# KiCad board Ashwing66_cut.kicad_pcb (continued)
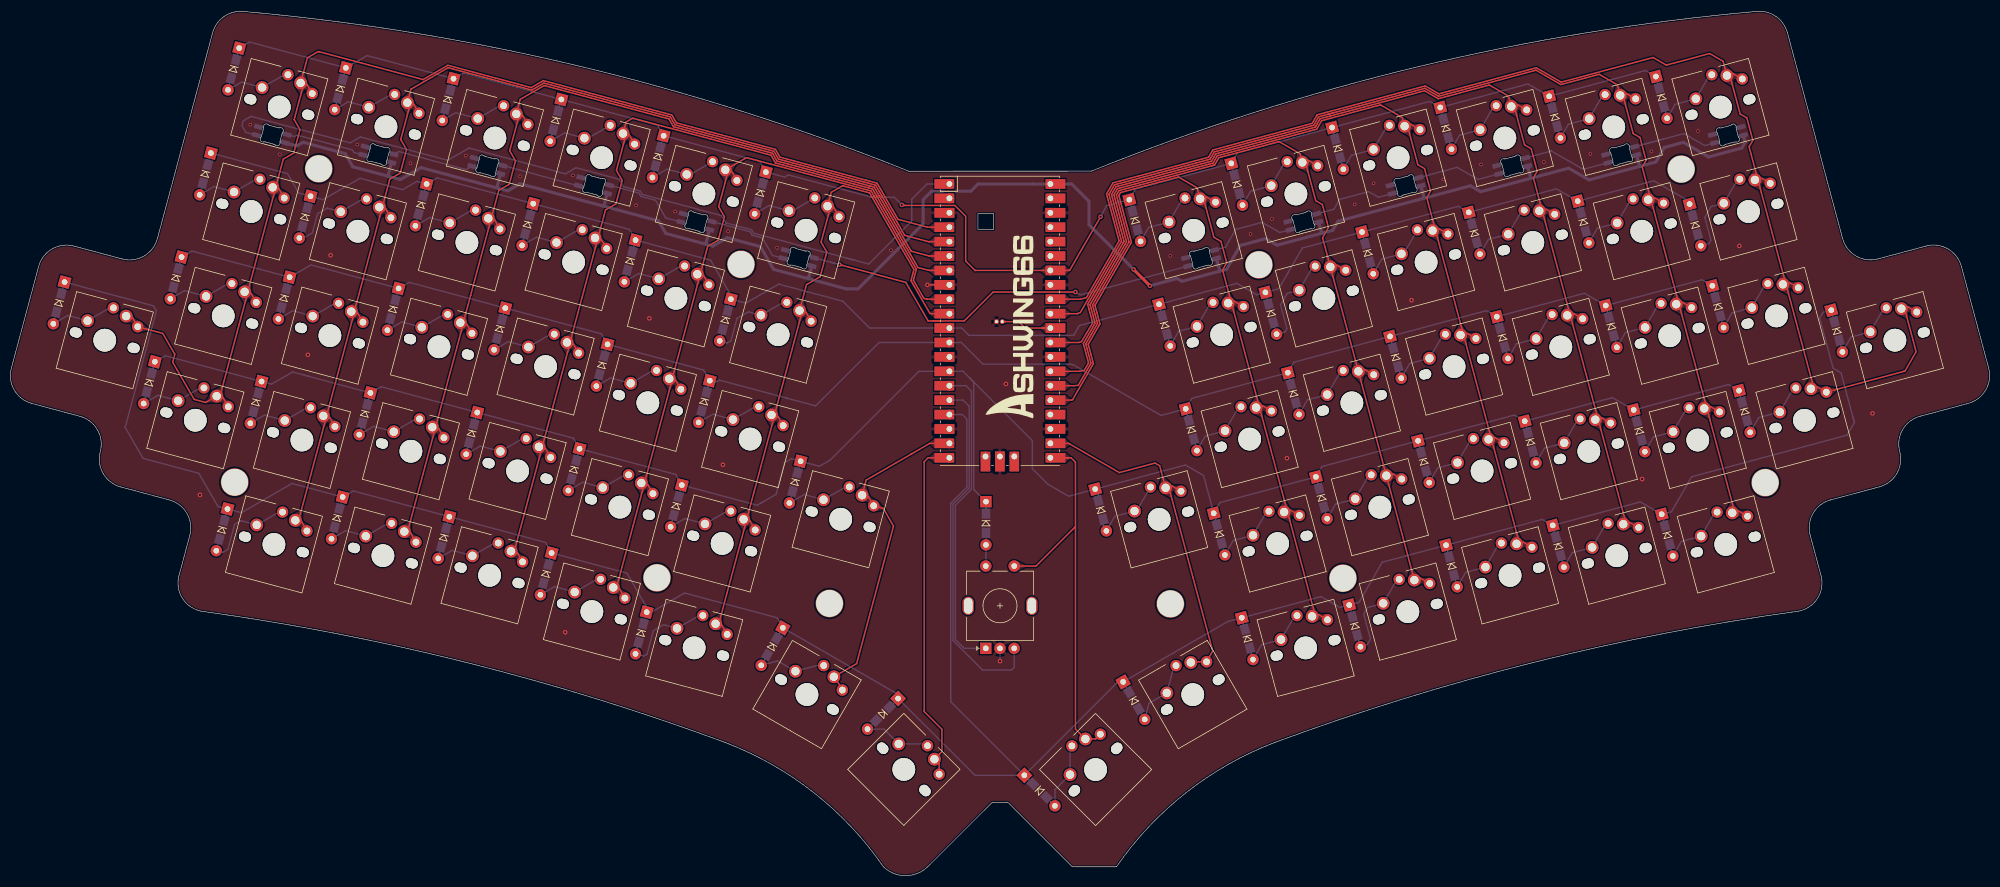
[diagram p0: board, top side]
## Routing (per net, layer and track width the routed paths; a pad name or vN(x,y) marks a point on that pad's centre or on a via; arc(x,y) is an arc through that point)
GND: length 6.1
  Top w0.15: pico.8 165.22,104.14
  Top w0.25: v2(161.35,104.13) 161.36,104.14 pico.8
  Bottom w0.25: v2(174.13,37.81) RotEnc.C
  vias: v1(42.08,132.38) v1(47.29,127.14) v1(60.92,128.87) v1(70.3,125.57) v1(80.06,126.91) v1(89.61,123.28) v1(98.9,123.43) v1(110.02,118.15) v1(116.91,117.06) v1(126.25,113.59) v1(134.87,110.66) v1(154.94,110.24) v1(204.11,109.24) v1(218.26,113.09) v1(222.03,115.77) v1(236.6,118.31) v1(239.94,122.03) v1(252.22,122.7) v1(258.85,125.35) v1(269.94,125.79) v1(278.11,127.23) v1(288.87,127.65) v1(297.05,131.23) v2(33.22,67.1) v2(52.22,91.8) v2(56.22,109.35) v2(97.55,42.9) v2(112.37,98.23) v2(125.32,72.43) v2(175.17,86.67) v2(224.67,73.58) v2(246.62,101.43) v2(287.22,69.9) v2(304.35,111) v2(327.8,81.48)
VBUS: length 322
  Top w0.25: 182.99,121.9 pico.40
  Top w0.55: v2(197.65,106.86) v2(200.54,103.97)
  Bottom w0.25: 166.45,120.65 164.09,120.65
  Bottom w0.4: 229.83,115.08 229.86,114.94
  Bottom w0.55: 86.17,123.71 85.53,121.35 85.63,121.19 ; 140.38,105.22 140.49,105.6 140.98,107.46 ; 140.38,105.22 147.09,103.42 149.14,103.42 160.59,114.88 160.59,119.15 162.09,120.65 164.09,120.65 ; 140.38,105.22 134.25,106.86 131.94,110.87 126.09,112.44 123.55,110.97 122.35,111.3 ; 286.25,127.01 286.76,125.11 286.87,125.04 ; 286.87,125.04 277.87,122.63 274.28,124.7 267.69,122.94 ; 286.87,125.04 289.66,125.79 291.13,128.35 294.49,129.25 298.88,126.72 298.89,126.68 304.78,128.26 305.37,129.28 305.04,130.51 ; 267.69,122.94 258.79,120.55 256.98,121.6 248.88,119.43 ; 267.69,122.94 267.62,122.97 267.07,125.05 ; 179.81,121.9 170.26,121.9 169.02,120.65 166.45,120.65 ; 179.81,121.9 179.76,121.9 ; 179.81,121.9 182.99,121.9 pico.40 186.74,121.92 189.8,118.85 189.8,114.72 197.65,106.87 v2(197.65,106.86) 197.66,106.86 197.75,106.77 ; 212.86,106.56 214.02,106.87 216.46,111.08 220.93,112.28 222.93,111.13 230.82,113.24 ; 212.86,106.56 212.26,108.79 ; 212.86,106.56 206.18,104.77 205.34,105.26 v2(200.54,103.97) ; 66.98,125.7 66.34,123.32 66.36,123.29 ; 248.88,119.43 233.67,115.35 232.75,113.76 230.82,113.24 ; 248.88,119.43 248.83,119.61 248.79,119.64 248.27,121.58 ; 48.19,129.18 50.28,128.62 51.38,129.26 58.81,127.27 60.15,124.95 66.36,123.29 ; 230.82,113.24 230.78,113.26 230.26,115.19 ; 122.35,111.3 115.27,113.19 113.99,115.41 104.35,117.99 ; 122.35,111.3 122.31,111.37 122.98,113.86 ; 85.63,121.19 72.17,124.79 68.54,122.7 66.36,123.29 ; 85.63,121.19 87.44,120.7 89.59,121.95 104.35,117.99 ; 104.96,120.25 104.36,117.99 104.35,117.99
Col_0: length 224.5
  Top w0.25: 150.56,122.57 135.39,126.64 134.59,128.01 117.14,132.69 116.35,134.07 93.7,140.14 91.56,138.9 76.88,142.84 72.53,140.32 54.21,145.23 54.18,145.21 54.04,145.25 52.14,144.16 50.96,139.72 ; 150.56,122.57 152.49,122.05 153.83,119.73 156.17,115.68 161.34,114.3 pico.4 ; 150.56,122.57 150.65,122.55 ; 53,137.85 52.1,139.42 50.96,139.72 ; K48.1 37.3,84.22 K48.1 ; K48.1 34.23,83.4 32.2,83.95 28.41,90.5 28.79,91.9 26.67,95.57 K60#2.1 21.36,98.32 K60#2.1 ; K48.1 36.84,84.91 41.48,102.23 K32.1 ; K16.1 47.16,121.01 K16.1 ; K16.1 46.39,120.67 43.84,111.12 41.72,103.28 K32.1 ; K16.1 46.66,121.68 47.89,126.3 49.73,127.36 50.84,131.49 49.81,133.27 51.36,139.03 50.96,139.72 ; K32.1 42.23,102.61 K32.1
Col_1: length 197.9
  Top w0.25: K17.1 65.95,117.53 K17.1 ; K33.1 61.02,99.13 K33.1 ; 60.49,99.76 61.92,105.11 61.92,105.11 61.93,105.12 65.15,117.16 ; 153.27,119.91 152.23,121.71 150.98,122.04 135.12,126.29 134.33,127.67 116.88,132.35 116.08,133.72 93.79,139.7 91.65,138.46 76.94,142.41 70.38,138.62 69.75,136.24 70.89,135.94 71.79,134.37 ; 153.27,119.91 157.34,112.86 161.62,111.71 161.67,111.76 pico.5 ; 153.27,119.91 153.4,119.67 ; K64.1 51.15,62.32 K64.1 50.7,63.03 55.34,80.35 K49.1 56.08,80.73 K49.1 ; 60.25,98.71 55.61,81.4 ; 65.42,118.17 66.66,122.79 68.5,123.85 69.6,127.98 68.58,129.75 70.12,135.52
Col_2: length 179.9
  Top w0.25: 84.61,116.18 85.85,120.8 87.69,121.86 88.79,125.99 87.77,127.77 89.31,133.53 ; pico.6 161.67,109.22 161.58,109.24 158.49,110.07 152.88,119.79 ; 90.98,132.38 90.08,133.95 88.94,134.26 89.63,136.83 93.85,139.27 115.82,133.38 116.62,132 134.07,127.33 134.86,125.95 151.03,121.62 ; 151.03,121.62 151.96,121.37 152.88,119.79 ; 151.03,121.62 151.19,121.57 ; 152.88,119.79 152.97,119.62 ; 79.68,97.78 80.88,102.26 80.88,102.26 80.88,102.26 84.34,115.17 ; K50.1 75.28,78.75 K50.1 74.54,78.38 69.89,61.05 K65.1 70.35,60.35 K65.1 ; K18.1 85.14,115.55 K18.1 ; 74.8,79.41 79.44,96.72 79.06,97.38 K34.1 80.22,97.16 K34.1
Col_3: length 159.4
  Top w0.25: 152.41,119.79 151.7,121.02 134.6,125.61 133.8,126.98 109.44,133.51 108.28,132.84 107.73,130.8 108.87,130.49 109.78,128.93 ; 152.41,119.79 152.54,119.56 ; 152.41,119.79 159.69,107.18 161.54,106.7 161.79,106.68 pico.7 ; K19.1 103.94,112.09 K19.1 ; K51.1 94.07,75.28 K51.1 93.33,74.9 88.69,57.58 K66.1 89.14,56.88 K66.1 ; 103.41,112.72 104.65,117.34 106.48,118.4 107.59,122.53 106.56,124.31 108.11,130.07 ; K35.1 99,93.68 K35.1 ; 98.23,93.26 93.59,75.95 ; 103.14,111.71 98.48,94.32
Col_4: length 143.1
  Top w0.25: 121.41,106.32 122.49,110.39 122.65,110.94 124.49,112 125.6,116.13 124.57,117.91 126.11,123.67 ; 151.94,119.82 152.12,119.5 ; 151.94,119.82 159.4,106.89 158.88,104.94 160.72,101.76 161.23,101.62 161.23,101.62 161.39,101.6 pico.9 ; 151.94,119.82 151.44,120.68 129.48,126.56 125.75,124.41 126.89,124.1 127.79,122.53 ; K36.1 117.02,87.29 K36.1 ; K20.1 121.96,105.7 K20.1 ; 121.14,105.31 116.48,87.92 ; 116.24,86.86 111.6,69.55 ; K52.1 112.09,68.9 K52.1 111.34,68.53 106.69,51.18 K67.1 107.15,50.49 K67.1
Col_5: length 129.1
  Top w0.25: 144.07,118.07 143.93,118.11 143.75,118 ; 143.75,118 144.89,117.7 145.8,116.13 ; 143.75,118 144.14,117.34 142.62,111.67 143.62,109.92 142.46,105.57 140.05,104.18 K21.1 139.96,99.3 K21.1 ; 143.75,118 144.41,120.45 146.42,121.61 146.71,121.53 151.17,120.34 151.62,119.57 ; pico.10 162.07,99.05 161.78,99.12 158.45,104.89 158.97,106.83 151.62,119.57 ; K37.1 135.03,80.9 K37.1 ; 151.62,119.57 151.69,119.45 ; K68.1 125.17,44.1 K68.1 124.7,44.79 129.35,62.13 K53.1 130.1,62.5 K53.1 ; 139.15,98.91 134.49,81.51 ; 134.25,80.46 129.61,63.15
  Bottom w0.25: K21.1 140.9,97.72
Col_6: length 60.3
  Top w0.25: 158.47,74.29 161.73,76.17 161.75,76.2 pico.19 ; 158.47,74.29 158.7,74.42 ; 158.47,74.29 155.82,72.76 150.55,69.72 K60.1 150.98,66.76 K60.1 153.57,64.74 155.38,61.62 148.88,37.37 K69#2.1 145.04,35.01 K69#2.1
Col_7: length 62.2
  Top w0.25: 163.44,21.38 163.54,21.49 ; 163.44,21.38 K69.1 163.41,19.69 K69.1 ; 163.44,21.38 163.9,21.85 163.9,25.8 160.77,28.93 160.77,72.95 161.48,73.66 pico.20
Col_8: length 77
  Top w0.25: K70.1 190.98,24.09 K70.1 ; 187.42,61.53 180.47,54.57 RotEnc.S1 ; 187.42,61.53 187.42,62.39 187.42,72.87 186.63,73.66 pico.21 ; 187.42,61.53 187.42,25.83 K70.1 ; K70.1 189.17,24.17 ; K70.1 188.11,25.14 ; pico.21 186.07,73.63 186.18,73.59 ; pico.21 184.29,74
Col_9: length 63.2
  Top w0.25: K44.1 203.99,67.96 208.12,52.55 211.6,39.58 K70#2.1 207.86,37.7 K70#2.1 ; K44.1 202.26,72.24 201.42,72.73 195.14,71.05 186.44,76.07 186.22,76.2 pico.22 ; K44.1 204.44,68.67 K44.1
Col_10: length 154.6
  Top w0.25: K22.1 215.45,101.21 K22.1 ; K71.1 230.24,46.01 K71.1 229.51,46.41 224.88,63.68 K54.1 ; K22.1 214.72,101.61 213.34,106.76 214.07,108.03 213.06,111.79 211.81,112.51 210.1,118.9 209.38,119.31 ; K22.1 215.02,100.5 219.65,83.21 K38.1 ; K38.1 220.38,82.81 K38.1 ; K38.1 219.95,82.1 224.58,64.8 K54.1 ; pico.25 186.72,83.82 186.9,83.87 190.59,90.25 190.14,91.93 189.67,93.67 191.74,97.25 190.86,100.53 197.13,111.39 197.28,111.64 195.06,119.9 195.35,120.4 205.57,123.14 208.87,121.23 209.38,119.31 ; 209.38,119.31 210.52,119.62 212.09,118.71 ; K54.1 225.31,64.4 K54.1
Col_11: length 171.4
  Top w0.25: K55.1 242.17,70.51 K39.1 ; K55.1 243.32,70.82 K55.1 ; K55.1 247.11,52.1 K72.1 248.25,52.4 K72.1 ; 196.83,111.68 196.85,111.7 194.63,119.96 195.09,120.75 211.41,125.12 ; 196.83,111.68 190.43,100.59 191.31,97.31 189.24,93.73 190.16,90.31 187.91,86.42 187.14,86.35 ; 196.83,111.68 196.84,111.69 ; 227.39,125.71 228.03,125.34 229.74,118.97 230.9,118.3 231.99,114.25 230.94,112.43 K23.1 ; 227.39,125.71 226.98,127.25 223.28,129.39 212.67,126.54 211.93,125.26 211.41,125.12 ; 227.39,125.71 228.53,126.02 230.1,125.11 ; K39.1 238.39,89.2 K39.1 ; K39.1 K23.1 ; 211.41,125.12 211.91,125.25 ; 187.14,86.36 pico.26 ; K23.1 233.46,107.6 K23.1
Col_12: length 190.5
  Top w0.25: K24.1 250.94,113.34 255.61,95.91 K40.1 ; K24.1 250.68,114.32 249.29,119.5 249.96,120.67 248.9,124.64 247.73,125.31 246.01,131.74 245.39,132.1 ; K24.1 251.46,114.01 K24.1 ; K40.1 255.88,94.92 260.54,77.52 K56.1 ; K40.1 256.39,95.59 K40.1 ; 248.1,131.5 246.53,132.41 245.39,132.1 ; K56.1 261.32,77.2 K56.1 ; K56.1 260.8,76.54 265.4,59.37 265.04,58.75 K73.1 266.25,58.79 K73.1 ; 190,100.64 196.41,111.74 194.2,120 194.82,121.09 211.67,125.6 212.41,126.89 229.92,131.58 230.78,133.07 241.15,135.85 244.98,133.64 245.39,132.1 ; 190,100.64 190.88,97.37 188.81,93.78 189.73,90.37 188.97,89.05 188.19,88.9 188.17,88.9 pico.27 ; 190,100.64 190.04,100.5
Col_13: length 205.6
  Top w0.25: 229.65,131.92 230.52,133.42 232.32,133.9 248.91,138.35 251.32,136.95 260.31,139.36 263.7,137.4 264.19,135.57 ; 229.65,131.92 212.15,127.23 211.4,125.95 194.56,121.43 193.77,120.06 195.98,111.8 195.83,111.54 189.57,100.7 190.45,97.42 188.49,94.13 188.02,93.98 187.99,93.98 pico.29 ; 229.65,131.92 229.96,132.45 ; K41.1 275.19,99.06 K41.1 ; K41.1 274.67,98.4 279.33,80.98 K57.1 ; K41.1 274.41,99.38 269.73,116.82 K25.1 ; 264.19,135.57 264.8,135.22 266.52,128.8 267.68,128.13 268.75,124.15 268.08,122.98 269.47,117.78 K25.1 ; 264.19,135.57 265.33,135.88 266.9,134.97 ; K57.1 280.12,80.68 K57.1 ; K57.1 279.59,80.02 284.27,62.58 K74.1 285.05,62.26 K74.1 ; K25.1 270.26,117.48 K25.1
Col_14: length 221.4
  Top w0.25: K26.1 289.45,119.45 K26.1 ; K26.1 288.63,119.7 287.24,124.88 287.93,126.08 286.85,130.11 285.66,130.8 283.94,137.21 283.37,137.53 ; K26.1 288.87,118.82 293.56,101.3 K42.1 ; K42.1 294.37,101.04 K42.1 ; K75.1 304.24,64.25 K75.1 303.42,64.5 298.73,82.02 K58.1 ; 286.08,136.93 284.51,137.84 283.37,137.53 ; K42.1 293.8,100.4 298.49,82.9 K58.1 ; 283.37,137.53 282.88,139.39 279.66,141.24 272.92,139.44 268.53,141.97 251.38,137.38 248.96,138.77 231.77,134.17 ; 232.94,134.48 230.25,133.76 229.39,132.27 211.88,127.57 211.14,126.29 194.29,121.77 193.32,120.1 195.54,111.83 188.29,99.28 187.82,99.08 187.78,99.06 pico.31 ; K58.1 299.31,82.65 K58.1
Col_15: length 246.2
  Top w0.25: K44#2.1 334.03,100.25 K44#2.1 333.56,99.56 335.49,92.35 333.53,88.94 333.35,88.9 333.35,88.89 K59.1 318.1,86.13 K59.1 317.33,86.47 312.76,103.54 312.11,103.91 K43.1 ; K43.1 313.17,104.53 K43.1 ; K43.1 312.39,104.85 307.72,122.27 K27.1 ; K27.1 308.24,122.93 K27.1 ; K27.1 307.46,123.26 306.07,128.47 306.73,129.61 305.67,133.57 304.5,134.25 302.78,140.67 302.17,141.03 ; 304.87,140.43 303.31,141.33 302.17,141.03 ; 302.17,141.03 301.49,143.53 299.11,144.91 291.84,142.97 291.48,142.87 289.16,144.2 272.98,139.87 268.59,142.4 251.44,137.81 249.02,139.2 231.64,134.55 229.99,134.11 229.13,132.61 211.62,127.92 210.88,126.63 194.03,122.12 192.89,120.15 193.03,119.65 195.11,111.89 189.33,101.88 188.29,101.61 188.29,101.6 pico.32
LED1: length 145
  Bottom w0.25: 147.1,108.86 130.74,113.24 130.39,113.84 125.84,115.06 125.1,116.33 111.13,120.07 110.79,120.66 107.8,121.46 107.06,122.74 99.46,124.78 97.59,123.7 80.61,128.25 76.85,126.08 61.46,130.2 59.66,129.16 42.2,133.83 40.85,133.06 40.62,132.19 41.29,131.03 K0.4 ; 147.1,108.86 148.36,108.52 ; 147.1,108.86 150.99,107.81 151.02,107.83 158.59,115.4 158.59,119.23 161.28,121.92 pico.1
LED2: length 14.1
  Bottom w0.25: K1.4 60.3,127.48 60.05,127.93 50.31,130.54 49.86,130.28 48.58,130.63
LED3: length 14.5
  Bottom w0.25: K2.4 80.09,124.45 68.21,127.63 67.36,127.15
LED4: length 13.9
  Bottom w0.25: 86.55,125.16 99.91,121.58 K3.4
LED5: length 15.1
  Bottom w0.25: K4.4 115.26,115.93 113.47,119.03 110.87,119.73 110.53,120.31 105.35,121.7
LED6: length 15.1
  Bottom w0.25: 123.37,115.31 130.13,113.5 130.47,112.9 132.27,112.42 134.06,109.31 K5.4
LED7: length 76
  Top w0.25: v2(145.83,107.71) 157.54,104.57 161.44,97.83 161.49,97.77 163.38,97.77 ; 163.38,97.77 167.82,97.77 172.91,102.86 184.37,102.86 187.33,102.86 v2(187.42,102.87) 187.35,102.86 187.34,102.86 ; 163.38,97.77 162.28,97.77
  Bottom w0.25: 141.37,108.91 145.82,107.71 v2(145.83,107.71) ; v2(145.83,107.71) 145.8,107.69 ; v2(145.83,107.71) 144.31,108.11 ; K6.4 188.29,102.37 v2(187.42,102.87)
LED8: length 16
  Bottom w0.25: K7.4 223.4,113.36 220.29,115.15 215.65,113.91 213.84,110.77 211.87,110.24
LED9: length 15
  Bottom w0.25: 243.23,120.21 K8.4 240.78,119.58 239.06,120.57 233.95,119.2 232.95,117.47 229.88,116.64 229.88,116.64
LED10: length 15.1
  Bottom w0.25: 247.88,123.03 254.64,124.84 258.33,122.71 K9.4
LED11: length 15.7
  Bottom w0.25: K10.4 276.84,124.49 271.24,127.73 271.23,127.72 266.68,126.5
LED12: length 20.5
  Bottom w0.25: 291.08,129.86 285.86,128.46 294.59,130.8 298.25,128.69 K11.4
NET-(DEXT-A): length 13.9
  Bottom w0.25: K69.2 161.04,23.22 K69.2 153.68,25.83 D69#2.2 D69#2.2
ROT_BUT: length 11.8
  Bottom w0.15: D69#3.2 D69#3.2 171.66,54.6 RotEnc.ROTIN 171.7,54.64
  Bottom w0.25: RotEnc.ROTIN 171.66,54.6 D69#3.2 D69#3.2
ROT_IN: length 55.2
  Bottom w0.25: pico.15 168.14,86.36 169.1,85.4 169.1,68.1 166.27,65.27 166.27,41.62 167.82,40.07 RotEnc.A
ROT_OUT: length 62.9
  Bottom w0.25: RotEnc.B 176.63,36.72 176.14,36.24 171.07,36.24 165.86,41.45 165.86,65.48 168.7,68.32 168.7,82.73 167.61,83.82 pico.16
Row_0: length 305.6
  Top w0.25: v2(191.85,116.14) 186.4,106.7 186.33,106.68 184.52,106.68 184.51,106.68 pico.34 169.79,106.68 169.76,106.66 168.09,108.33 168.09,116.22 166.18,118.13 156.94,118.13 v2(156.84,118.23)
  Bottom w0.25: D8.1 D8.1 ; D8.1 215.94,127.39 D7.1 ; D8.1 249.83,136.47 D9.1 ; D10.1 287.81,141.92 D11.1 D11.1 ; D10.1 D10.1 ; D10.1 267.12,139.54 D9.1 ; 151.55,119.57 136.85,123.51 136.19,123.13 D5.1 ; 151.55,119.57 155.5,119.57 v2(156.84,118.23) ; 151.55,119.57 151.38,119.62 151.38,119.61 151.37,119.62 ; 40.83,145.68 D0.1 ; D0.1 41.97,146.92 D1.1 ; D0.1 D0.1 ; D3.1 79.57,141.45 D2.1 ; D3.1 113.82,132.27 D4.1 ; D3.1 D3.1 ; D4.1 131.82,125.88 D5.1 ; D4.1 D4.1 ; D2.1 62.67,144.54 D1.1 ; D2.1 D2.1 ; D7.1 198,121.02 D6.1 ; D7.1 D7.1 ; D9.1 D9.1 ; D5.1 D5.1 ; D1.1 D1.1 ; D6.1 192.94,118.09 191.84,116.17 v2(191.85,116.14) ; D6.1 D6.1
Row_1: length 312.7
  Bottom w0.25: D26.1 289.27,122.48 295.45,118.91 D27.1 D27.1 ; D26.1 272.14,121.05 D25.1 ; D26.1 D26.1 ; D19.1 74.99,122.98 D18.1 ; D19.1 D19.1 ; D19.1 108.86,113.9 D20.1 ; D21.1 D21.1 ; D21.1 129.36,100.91 135.16,104.27 140.16,102.93 140.17,102.93 140.58,102.82 146.45,101.25 146.46,101.22 151.17,96.52 pico.11 167.38,96.52 168.67,95.23 187.08,95.23 187.17,95.32 188.12,96.96 D22.1 ; D21.1 126.86,102.07 123.16,108.48 D20.1 ; D18.1 D18.1 ; D18.1 71.42,122.37 68.9,120.92 61.41,122.92 54.89,119.16 D17.1 ; D20.1 D20.1 ; D23.1 223.23,103.44 227.38,110.63 D24.1 ; D23.1 D23.1 ; D23.1 219.33,102.39 215.86,104.4 D22.1 ; D17.1 50.62,120.3 48.63,123.75 D16.1 D16.1 ; D17.1 D17.1 ; D25.1 D25.1 ; D25.1 254.85,117.99 D24.1 ; D22.1 D22.1 ; D22.1 201.97,100.43 ; D24.1 D24.1
Row_2: length 317.2
  Bottom w0.25: D38.1 D38.1 ; D38.1 202.5,81.12 201.82,81.51 186.99,90.07 186.52,90.15 171.11,90.15 167.29,93.98 pico.12 152.82,93.98 150.96,92.12 141.67,82.83 141.64,82.81 136.45,84.2 ; D38.1 207.9,84.12 D39.1 ; D41.1 D41.1 ; D41.1 259.78,99.58 D40.1 ; D41.1 277.07,102.65 D42.1 ; 136.45,84.2 136.76,84.12 ; 136.45,84.2 124.69,87.35 124.03,86.97 D37.1 ; D40.1 225.89,90.51 D39.1 ; D40.1 D40.1 ; D35.1 D35.1 ; D35.1 103.94,95.5 D36.1 ; D35.1 70.06,104.58 D34.1 ; D33.1 52.76,107.65 D34.1 ; D33.1 D33.1 ; D33.1 31.81,110.09 D32#3.1 D32#3.1 ; D36.1 121.94,89.11 D37.1 ; D36.1 D36.1 ; D34.1 D34.1 ; D37.1 D37.1 ; D42.1 297.77,105.03 D43.1 D43.1 ; D42.1 D42.1 ; D39.1 D39.1
Row_3: length 385.3
  Bottom w0.15: 169.5,68.08 D69#3.1 D69#3.1
  Bottom w0.25: D32#2.1 137.38,73.48 136.19,72.8 134.69,67.21 132.33,65.85 ; D32#2.1 142.33,72.16 144.21,73.24 158.45,87.48 159.87,88.9 pico.14 167.61,88.9 168.77,87.74 168.77,87.73 ; D32#2.1 D32#2.1 ; D49.1 D49.1 ; D49.1 45.81,86.63 49.52,88.77 52.43,87.99 ; D49.1 27.11,91.64 D48.1 D48.1 ; 168.77,87.73 179.82,76.68 179.82,71.73 182.57,68.99 186.22,66.88 D44.1 ; 168.77,87.73 169.54,86.96 ; 168.77,87.73 169.55,86.95 ; 168.77,87.73 169.5,87 169.5,68.08 D69#3.1 D69#3.1 ; D50.1 52.43,87.99 ; D50.1 65.13,86.18 D51.1 ; D50.1 D50.1 ; 52.43,87.99 51.6,88.21 ; D52.1 117.01,70.71 D53.1 ; D52.1 99.01,77.1 D51.1 ; D52.1 D52.1 ; D44.1 206.77,72.38 209.99,70.52 D54.1 ; D44.1 191.44,67.58 D44.1 ; D55.1 212.85,65.75 D54.1 ; D55.1 D55.1 ; D55.1 230.83,72.11 D56.1 ; 132.33,65.85 131.36,65.29 D53.1 ; 132.33,65.85 132.02,65.67 ; D58.1 302.45,86.56 D59.1 D59.1 ; D58.1 D58.1 ; D58.1 282,84.25 D57.1 ; D56.1 D56.1 ; D56.1 264.71,81.18 D57.1 ; D54.1 D54.1 ; D57.1 D57.1 ; D53.1 D53.1 ; D51.1 D51.1
Row_4: length 524.3
  Bottom w0.25: D73.1 269.65,62.8 D74.1 ; D73.1 D73.1 ; D73.1 241.45,55.24 237.36,48.16 D72.1 ; D74.1 D74.1 ; D74.1 286.91,65.88 D75.1 ; D72.1 234.01,47.26 230.67,49.19 D71.1 ; D72.1 D72.1 ; D70#2.1 170.82,25.29 165.46,30.65 165.46,65.64 168.3,68.48 168.3,80.45 167.47,81.28 pico.17 ; D70#2.1 D70#2.1 ; D70#2.1 169.72,17.69 D69#2.1 ; D70#2.1 194.88,34.15 D70.1 ; D69.1 134.86,45.46 118.57,49.82 112.47,46.3 D68.1 ; D69.1 D69.1 ; D69.1 155.95,32.09 D69#2.1 ; D64.1 40.51,63.97 49.43,69.12 58.35,66.73 ; D64.1 D64.1 ; D64.1 36.38,65.08 33.02,70.92 23.2,73.55 20.05,79.01 25.55,99.53 25.03,100.43 D32.1 D32.1 ; D68.1 112.06,47.02 108.42,53.31 D67.1 ; D68.1 D68.1 ; 58.35,66.73 D65.1 ; 58.35,66.73 D65.1 ; 58.35,66.73 60.22,67.81 D66.1 ; D70.1 214.24,44.79 214.24,44.79 D71.1 ; D70.1 D70.1 ; 324.58,79.99 322.27,88.62 320.88,89.42 318.5,98.29 319.07,99.28 D44#2.1 D44#2.1 ; 324.58,79.99 324.62,79.87 323.33,77.64 295.95,70.31 292.4,64.16 D75.1 ; 324.58,79.99 324.33,80.94 ; D71.1 D71.1 ; D75.1 D75.1 ; D69#2.1 D69#2.1 ; D67.1 94.08,58.73 D66.1 ; D67.1 D67.1 ; D66.1 D66.1
RUN: length 10.4
  Top w0.25: RESET.2 177.41,97.65 178.54,96.52 pico.30 181.51,96.52
Net-(D0-A): length 13.8
  Bottom w0.25: D0.2 D0.2 40.55,139.88 44.17,138.91 48.28,141.29 48.72,141.17
Net-(D1-A): length 13.8
  Bottom w0.25: D1.2 D1.2 59.34,136.4 62.95,135.43 67.07,137.81 67.5,137.69
Net-(D2-A): length 14.1
  Bottom w0.25: 86.69,135.71 86.26,135.82 82.14,133.45 78.28,134.48 D2.2 D2.2
Net-(D3-A): length 13.9
  Bottom w0.25: D3.2 D3.2 97.45,130.92 100.94,129.99 101.37,129.87 105.49,132.25
Net-(D4-A): length 13.9
  Bottom w0.25: D4.2 D4.2 115.47,124.53 118.96,123.6 119.39,123.48 123.51,125.86
Net-(D5-A): length 13.9
  Bottom w0.25: D5.2 D5.2 133.48,118.13 136.96,117.2 137.4,117.08 141.51,119.45
Net-(D6-A): length 13.9
  Bottom w0.25: 206.72,119.45 206.28,119.33 203.91,115.21 200.31,114.25 D6.2 D6.2
Net-(D7-A): length 13.9
  Bottom w0.25: D7.2 D7.2 218.27,120.64 221.91,121.62 224.29,125.73 224.72,125.85
Net-(D8-A): length 14.2
  Bottom w0.25: 242.73,132.24 242.29,132.12 239.92,128 236.02,126.96 D8.2 D8.2
Net-(D9-A): length 13.9
  Bottom w0.25: D9.2 D9.2 255.07,130.5 258.71,131.48 261.09,135.59 261.52,135.71
Net-(D10-A): length 13.9
  Bottom w0.25: 280.71,137.67 280.27,137.55 277.9,133.44 274.24,132.46 D10.2 D10.2
Net-(D11-A): length 13.9
  Bottom w0.25: K11.2 299.07,141.05 K11.2 293.04,135.95 D11.2 D11.2
Net-(D16-A): length 13.9
  Bottom w0.25: D16.2 D16.2 35.68,121.45 K16.2 43.34,122.88 K16.2
Net-(D17-A): length 17.8
  Bottom w0.25: D17.2 D17.2 51.23,112.25 53.01,113.28 53.92,116.67 55.63,117.66 K17.2 62.13,119.4 K17.2
Net-(D18-A): length 13.9
  Bottom w0.25: D18.2 D18.2 73.67,116 K18.2 81.33,117.42 K18.2
Net-(D19-A): length 13.9
  Bottom w0.25: D19.2 D19.2 92.47,112.54 K19.2 100.12,113.96 K19.2
Net-(D20-A): length 13.9
  Bottom w0.25: K20.2 118.14,107.57 K20.2 110.52,106.14 D20.2 D20.2
Net-(D21-A): length 20.7
  Bottom w0.25: D21.2 D21.2 ; D21.2 126.1,93.9 126.74,94.27 127.8,98.21 129.83,99.38 K21.2 ; D21.2 126.07,93.91 ; K21.2 136.15,101.17 133.1,99.41 ; 133.1,99.41 K21.2 ; 133.1,99.41 K21.2
Net-(D22-A): length 13.6
  Bottom w0.25: D22.2 D22.2 205.6,95.95 K22.2 211.21,100.93 K22.2
Net-(D23-A): length 18.4
  Bottom w0.25: D23.2 D23.2 224.34,95.85 224.67,96.41 223.54,100.61 224.71,102.63 K23.2 229.22,107.32 K23.2
Net-(D24-A): length 14.1
  Bottom w0.25: K24.2 245.28,109.72 K24.2 241.36,108.67 D24.2 ; D24.2 239.8,105.95 ; D24.2 D24.2
Net-(D25-A): length 13.9
  Bottom w0.25: D25.2 D25.2 260.16,112.14 K25.2 266.02,117.19 K25.2
Net-(D26-A): length 13.9
  Bottom w0.25: 285.64,119.28 285.21,119.16 K26.2 279.35,114.12 D26.2 D26.2
Net-(D27-A): length 18.2
  Bottom w0.25: D27.2 D27.2 299,111.4 299.35,112 298.27,116.02 299.37,117.93 K27.2 304,122.64 K27.2
Net-(D32-A): length 14.1
  Bottom w0.25: K32.2 38.41,104.48 K32.2 30.51,103.12 D32#3.2 D32#3.2
Net-(D33-A): length 13.9
  Bottom w0.25: D33.2 D33.2 49.54,99.57 K33.2 57.2,101 K33.2
Net-(D34-A): length 13.9
  Bottom w0.25: K34.2 76.41,99.03 K34.2 68.76,97.6 D34.2 D34.2
Net-(D35-A): length 13.9
  Bottom w0.25: K35.2 95.18,95.55 K35.2 87.53,94.13 D35.2 D35.2
Net-(D36-A): length 13.9
  Bottom w0.25: D36.2 D36.2 105.54,87.73 K36.2 113.2,89.16 K36.2
Net-(D37-A): length 13.9
  Bottom w0.25: K37.2 131.22,82.77 K37.2 123.57,81.34 D37.2 D37.2
Net-(D38-A): length 13.9
  Bottom w0.25: K38.2 216.14,82.53 K38.2 210.29,77.48 D38.2 D38.2
Net-(D39-A): length 13.9
  Bottom w0.25: K39.2 234.15,88.92 K39.2 228.28,83.87 D39.2 D39.2
Net-(D40-A): length 13.9
  Bottom w0.25: K40.2 252.15,95.3 K40.2 246.29,90.25 D40.2 D40.2
Net-(D41-A): length 13.9
  Bottom w0.25: D41.2 D41.2 265.08,93.73 K41.2 270.95,98.78 K41.2
Net-(D42-A): length 13.9
  Bottom w0.25: K42.2 290.13,100.75 K42.2 284.27,95.7 D42.2 D42.2
Net-(D43-A): length 13.9
  Bottom w0.25: K43.2 308.93,104.24 K43.2 303.07,99.2 D43.2 D43.2
Net-(D44-A): length 27.9
  Bottom w0.25: D44.2 192.32,61.31 D44.2 194.35,63.33 K44.2 198.26,64.38 K44.2 ; D44#2.2 D44#2.2 324.03,94.94 K44#2.2 329.79,99.97 K44#2.2
Net-(D48-A): length 13.9
  Bottom w0.25: K48.2 33.49,86.09 K48.2 25.81,84.67 D48.2 D48.2
Net-(D49-A): length 13.9
  Bottom w0.25: K49.2 52.27,82.6 K49.2 44.58,81.18 D49.2 D49.2
Net-(D50-A): length 13.9
  Bottom w0.25: D50.2 D50.2 63.81,79.19 K50.2 71.47,80.62 K50.2
Net-(D51-A): length 13.9
  Bottom w0.25: D51.2 D51.2 82.6,75.72 K51.2 90.25,77.15 K51.2
Net-(D52-A): length 13.9
  Bottom w0.25: K52.2 108.28,70.77 K52.2 100.63,69.34 D52.2 D52.2
Net-(D53-A): length 13.9
  Bottom w0.25: D53.2 D53.2 118.64,62.94 K53.2 126.29,64.37 K53.2
Net-(D54-A): length 13.9
  Bottom w0.25: D54.2 D54.2 215.21,59.06 K54.2 221.07,64.11 K54.2
Net-(D55-A): length 13.9
  Bottom w0.25: K55.2 239.08,70.53 K55.2 233.23,65.48 D55.2 D55.2
Net-(D56-A): length 13.9
  Bottom w0.25: K56.2 257.08,76.92 K56.2 251.23,71.87 D56.2 D56.2
Net-(D57-A): length 13.9
  Bottom w0.25: K57.2 275.88,80.39 K57.2 270.02,75.34 D57.2 D57.2
Net-(D58-A): length 13.9
  Bottom w0.25: D58.2 D58.2 289.21,77.31 K58.2 295.07,82.36 K58.2
Net-(D59-A): length 14.6
  Bottom w0.25: D59.2 D59.2 307.75,80.73 K59.2 313.86,85.84 ; 313.86,85.84 K59.2 313.86,85.84
Net-(D60-A): length 27.7
  Bottom w0.25: K60#2.2 17.54,100.19 K60#2.2 9.96,98.75 D32.2 D32.2 ; K60.2 147.16,68.63 K60.2 139.62,67.18 137.04,65.69 ; 137.04,65.69 D32#2.2 ; 137.04,65.69 D32#2.2
Net-(D61-A): length 13.9
  Bottom w0.25: D70#2.2 D70#2.2 183.81,15.13 K70.2 186.47,22.55 K70.2
Net-(D64-A): length 18.3
  Bottom w0.25: K64.2 47.34,64.2 K64.2 40.45,62.56 39.32,61.91 38.13,57.49 37.23,56.97 D64.2 D64.2
Net-(D65-A): length 13.9
  Bottom w0.25: D65.2 D65.2 58.86,60.8 K65.2 66.54,62.22 K65.2
Net-(D66-A): length 13.8
  Bottom w0.25: K66.2 85.32,58.75 K66.2 77.64,57.33 D66.2 D66.2
Net-(D67-A): length 13.9
  Bottom w0.25: D67.2 D67.2 95.66,50.94 K67.2 103.34,52.36 K67.2
Net-(D68-A): length 18.3
  Bottom w0.25: D68.2 D68.2 111.39,38.7 111.99,39.05 111.97,39.07 113.08,43.19 114.87,44.23 K68.2 121.36,45.97 K68.2
Net-(D69-A): length 14.7
  Bottom w0.25: D69.2 134.95,37.85 K69#2.2 142.69,37.26 K69#2.2 ; D69.2 132.74,37.46 ; D69.2 D69.2
Net-(D70-A): length 13.9
  Bottom w0.25: K70#2.2 204.74,36.79 K70#2.2 200.39,30.4 D70.2 D70.2
Net-(D71-A): length 13.9
  Bottom w0.25: K71.2 226,45.73 K71.2 220.19,40.69 D71.2 D71.2
Net-(D72-A): length 18.5
  Bottom w0.25: D72.2 D72.2 238.78,40.65 239.38,41.7 238.2,46.11 238.86,47.26 K72.2 244.01,52.11 K72.2
Net-(D73-A): length 13.9
  Bottom w0.25: D73.2 D73.2 256.14,53.45 K73.2 262.01,58.5 K73.2
Net-(D74-A): length 13.9
  Bottom w0.25: D74.2 D74.2 274.92,56.92 K74.2 280.81,61.97 K74.2
Net-(D75-A): length 13.9
  Bottom w0.25: K75.2 300,63.96 K75.2 294.14,58.91 D75.2 D75.2

## Copper pours and planes (outline as drawn; the poured copper is in the pictures)
GND on Top, Bottom: 329.01,68.52 332.09,70.89 332.6,74.75 333.11,78.6 336.19,80.97 344.67,83.24 347.76,85.61 348.26,89.46 343.46,107.38 341.09,110.46 337.24,110.97 328.76,108.7 324.91,109.21 322.54,112.29 312.82,148.56 310.84,151.41 307.5,152.34 247.81,142.59 190.2,124.17 158.05,124.16 100.45,142.58 40.77,152.32 37.42,151.4 35.44,148.55 25.73,112.28 23.36,109.2 19.51,108.69 11.03,110.96 7.17,110.45 4.8,107.37 0,89.45 0.51,85.6 3.59,83.23 12.07,80.96 15.16,78.59 16.17,70.88 19.26,68.51 27.84,66.21 30.93,63.84 31.44,59.99 29.53,52.87 30.15,48.85 33.54,46.59 80.27,37.54 125.74,23.46 141.34,14.62 153.61,1.55 174.13,-8.82 194.65,1.56 206.92,14.64 222.53,23.47 268,37.55 314.72,46.61 318.11,48.86 318.74,52.89 316.83,60 317.34,63.86 320.42,66.22

Small or netless copper shapes (teardrops, artwork), in the pictures only: 284 on Top, 709 on Bottom

## Text on the board
B.Silkscreen: BOOT | RUN GND | 01  Pi Pico Controller / 66  1N4148 / 1N4148W Diodes / 66  Choc V1 / MX Switches / 66  1U Keycaps / 12  SK6812 MINI-E LED's / 01  EC11 Rotary Encoder | Model: Ashwing66 - (Choc V1/MX) / Designed by: James Gzowski (github.com/gzowski) | Column 01 | Column 16 | Row 01
